# KiCad board lumpen.kicad_pcb
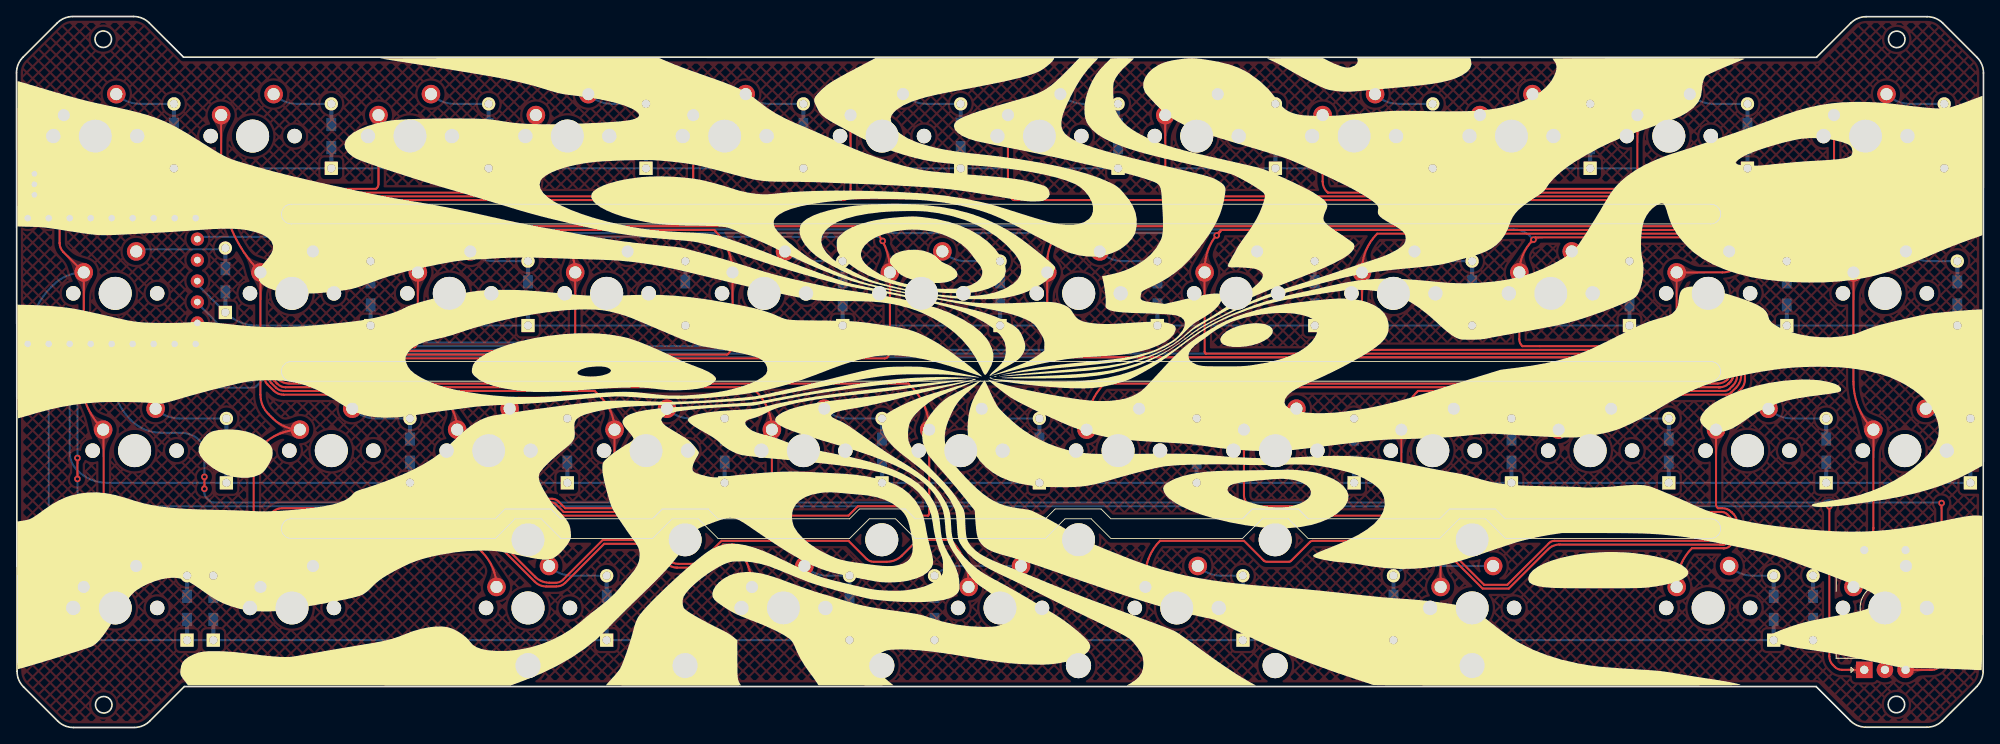
[diagram p0: board, top side]
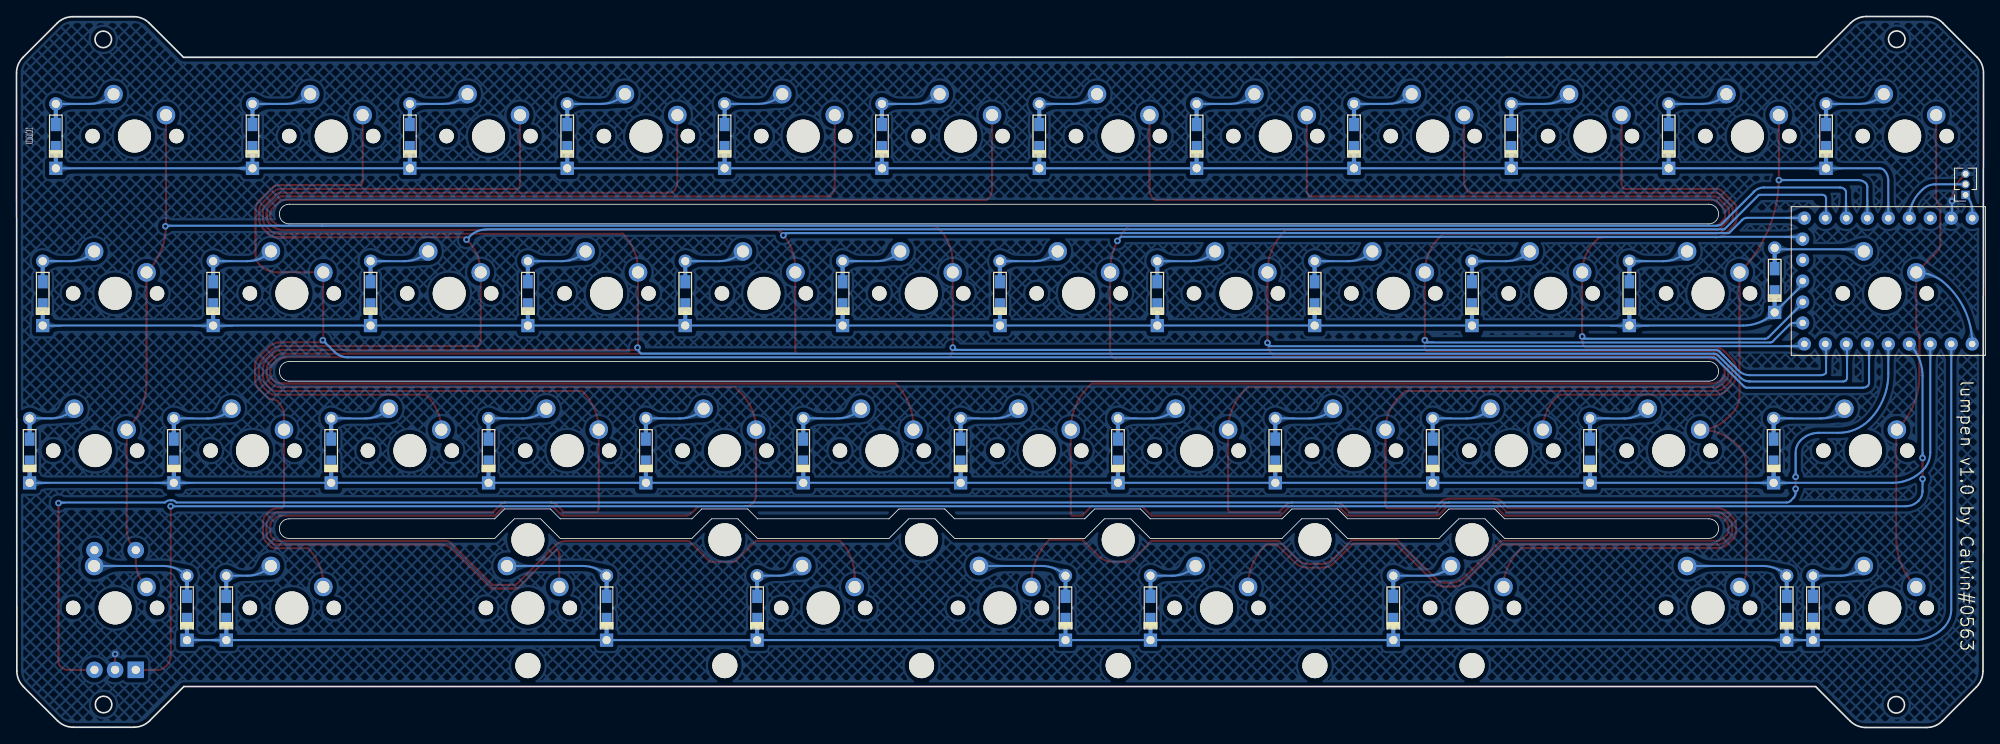
[diagram p1: board, bottom side, seen from below]

Outline 238.13 x 86.11 mm; copper layers: Top, Bottom. Coordinates in mm from the lower left corner of the outline.
Outline path: circle c10.5,83.36 r1 ; circle c10.56,2.75 r1 ; circle c227.59,2.78 r1 ; circle c227.63,83.34 r1 ; 0,79.3 arc(0.2,80.32) 0.78,81.19 4.92,85.33 arc(5.79,85.91) 6.82,86.11 14.18,86.11 arc(15.21,85.91) 16.08,85.33 20.22,81.19 217.92,81.17 222.06,85.31 arc(222.92,85.89) 223.94,86.09 231.31,86.09 arc(232.34,85.89) 233.21,85.31 237.35,81.17 arc(237.93,80.3) 238.13,79.28 238.09,6.85 arc(237.89,5.82) 237.31,4.96 233.17,0.82 arc(232.3,0.24) 231.27,0.03 223.91,0.03 arc(222.88,0.24) 222.01,0.82 217.87,4.96 20.31,4.96 16.14,0.78 arc(15.27,0.2) 14.25,0 6.88,0 arc(5.85,0.2) 4.99,0.78 0.85,4.92 arc(0.27,5.79) 0.06,6.82 0,79.3 ; 33.27,63.38 205.12,63.38 arc(206.31,62.19) 205.12,61 33.27,61 arc(32.08,62.19) 33.27,63.38 ; 33.27,44.33 205.12,44.33 arc(206.31,43.14) 205.12,41.95 33.27,41.95 arc(32.08,43.14) 33.27,44.33 ; 33.27,25.28 57.97,25.28 59.16,26.47 64.72,26.47 65.91,25.28 76.99,25.28 78.18,26.47 83.73,26.47 84.92,25.28 100.86,25.28 102.05,26.47 107.61,26.47 108.8,25.28 124.55,25.28 125.75,26.47 131.3,26.47 132.49,25.28 148.42,25.28 149.62,26.47 155.17,26.47 156.36,25.28 172.3,25.28 173.49,26.47 179.05,26.47 180.24,25.28 205.12,25.28 arc(206.31,24.09) 205.12,22.9 180.24,22.9 177.86,25.28 174.68,25.28 172.3,22.9 156.36,22.9 153.98,25.28 150.81,25.28 148.42,22.9 132.49,22.9 130.11,25.28 126.94,25.28 124.55,22.9 108.8,22.9 106.42,25.28 103.24,25.28 100.86,22.9 84.92,22.9 82.54,25.28 79.37,25.28 76.99,22.9 65.91,22.9 63.52,25.28 60.35,25.28 57.97,22.9 33.27,22.9 arc(32.08,24.09) 33.27,25.28

## Placement (name value [footprint] x y rotation side)
D1  D_Small  [Diode-Hybrid-Back]  19.06 71.63 270 top
D2  D_Small  [Diode-Hybrid-Back]  25.28 54.17 270 top
D3  D_Small  [Diode-Hybrid-Back]  25.41 33.53 270 top
D4  D_Small  [Diode-Hybrid-Back]  20.65 14.48 270 top
D5  D_Small  [Diode-Hybrid-Back]  57.16 71.63 270 top
D6  D_Small  [Diode-Hybrid-Back]  38.11 71.63 270 top
D7  D_Small  [Diode-Hybrid-Back]  42.87 52.58 270 top
D8  D_Small  [Diode-Hybrid-Back]  47.63 33.53 270 top
D9  D_Small  [Diode-Hybrid-Back]  23.82 14.48 270 top
D10  D_Small  [Diode-Hybrid-Back]  61.92 52.58 270 top
D11  D_Small  [Diode-Hybrid-Back]  66.68 33.53 270 top
D12  D_Small  [Diode-Hybrid-Back]  71.45 14.48 270 top
D13  D_Small  [Diode-Hybrid-Back]  76.21 71.63 270 top
D14  D_Small  [Diode-Hybrid-Back]  80.97 52.58 270 top
D15  D_Small  [Diode-Hybrid-Back]  85.73 33.53 270 top
D16  D_Small  [Diode-Hybrid-Back]  95.26 71.63 270 top
D17  D_Small  [Diode-Hybrid-Back]  100.02 52.58 270 top
D18  D_Small  [Diode-Hybrid-Back]  104.78 33.53 270 top
D19  D_Small  [Diode-Hybrid-Back]  133.36 71.63 270 top
D20  D_Small  [Diode-Hybrid-Back]  100.85 14.48 270 top
D21  D_Small  [Diode-Hybrid-Back]  114.31 71.63 270 top
D22  D_Small  [Diode-Hybrid-Back]  119.07 52.58 270 top
D23  D_Small  [Diode-Hybrid-Back]  123.83 33.53 270 top
D24  D_Small  [Diode-Hybrid-Back]  111.13 14.48 270 top
D25  D_Small  [Diode-Hybrid-Back]  138.12 52.58 270 top
D26  D_Small  [Diode-Hybrid-Back]  142.88 33.53 270 top
D27  D_Small  [Diode-Hybrid-Back]  148.47 14.48 270 top
D28  D_Small  [Diode-Hybrid-Back]  152.41 71.63 270 top
D29  D_Small  [Diode-Hybrid-Back]  157.17 52.58 270 top
D30  D_Small  [Diode-Hybrid-Back]  161.93 33.53 270 top
D31  D_Small  [Diode-Hybrid-Back]  171.46 71.63 270 top
D32  D_Small  [Diode-Hybrid-Back]  176.22 52.58 270 top
D33  D_Small  [Diode-Hybrid-Back]  180.98 33.53 270 top
D34  D_Small  [Diode-Hybrid-Back]  209.56 71.63 270 top
D35  D_Small  [Diode-Hybrid-Back]  166.7 14.48 270 top
D36  D_Small  [Diode-Hybrid-Back]  190.51 71.63 270 top
D37  D_Small  [Diode-Hybrid-Back]  195.27 52.58 270 top
D38  D_Small  [Diode-Hybrid-Back]  200.03 33.53 270 top
D39  D_Small  [Diode-Hybrid-Back]  214.32 52.58 270 top
D40  D_Small  [Diode-Hybrid-Back]  219.08 33.53 270 top
D41  D_Small  [Diode-Hybrid-Back]  212.73 14.48 270 top
D43  D_Small  [Diode-Hybrid-Back]  233.37 71.63 270 top
D44  D_Small  [Diode-Hybrid-Back]  234.96 52.58 270 top
D45  D_Small  [Diode-Hybrid-Back]  236.55 33.53 270 top
D46  D_Small  [Diode-Hybrid-Back]  217.5 14.48 270 top
G***  -  [LOGO]  119.05 43.08 180 top
J1  Conn_01x03  [PinSocket_1x03_P1.27mm_Vertical]  2.17 64.52 0 bottom
MX1  MX-NoLED  [MXOnly-1U-NoLED]  9.53 71.63 0 top
MX2  MX-NoLED  [MXOnly-1U-NoLED]  28.58 71.63 0 top
MX3  MX-NoLED  [MXOnly-1U-NoLED]  47.63 71.63 0 top
MX4  MX-NoLED  [MXOnly-1U-NoLED]  66.68 71.63 0 top
MX5  MX-NoLED  [MXOnly-1U-NoLED]  85.73 71.63 0 top
MX6  MX-NoLED  [MXOnly-1U-NoLED]  104.78 71.63 0 top
MX7  MX-NoLED  [MXOnly-1U-NoLED]  123.83 71.63 0 top
MX8  MX-NoLED  [MXOnly-1U-NoLED]  142.88 71.63 0 top
MX9  MX-NoLED  [MXOnly-1U-NoLED]  161.93 71.63 0 top
MX10  MX-NoLED  [MXOnly-1U-NoLED]  180.98 71.63 0 top
MX11  MX-NoLED  [MXOnly-1U-NoLED]  200.03 71.63 0 top
MX12  MX-NoLED  [MXOnly-1.5U-NoLED]  223.85 71.63 0 top
MX13  MX-NoLED  [MXOnly-1.25U-NoLED]  11.95 52.58 0 top
MX14  MX-NoLED  [MXOnly-1U-NoLED]  33.35 52.58 0 top
MX15  MX-NoLED  [MXOnly-1U-NoLED]  52.4 52.58 0 top
MX16  MX-NoLED  [MXOnly-1U-NoLED]  71.45 52.58 0 top
MX17  MX-NoLED  [MXOnly-1U-NoLED]  90.5 52.58 0 top
MX18  MX-NoLED  [MXOnly-1U-NoLED]  109.55 52.58 0 top
MX19  MX-NoLED  [MXOnly-1U-NoLED]  128.6 52.58 0 top
MX20  MX-NoLED  [MXOnly-1U-NoLED]  147.65 52.58 0 top
MX21  MX-NoLED  [MXOnly-1U-NoLED]  166.7 52.58 0 top
MX22  MX-NoLED  [MXOnly-1U-NoLED]  185.75 52.58 0 top
MX23  MX-NoLED  [MXOnly-1U-NoLED]  204.8 52.58 0 top
MX24  MX-NoLED  [MXOnly-1.25U-NoLED]  226.2 52.58 0 top
MX25  MX-NoLED  [MXOnly-1.5U-NoLED]  14.3 33.53 0 top
MX26  MX-NoLED  [MXOnly-1U-NoLED]  38.11 33.53 0 top
MX27  MX-NoLED  [MXOnly-1U-NoLED]  57.16 33.53 0 top
MX28  MX-NoLED  [MXOnly-1U-NoLED]  76.21 33.53 0 top
MX29  MX-NoLED  [MXOnly-1U-NoLED]  95.26 33.53 0 top
MX30  MX-NoLED  [MXOnly-1U-NoLED]  114.31 33.53 0 top
MX31  MX-NoLED  [MXOnly-1U-NoLED]  133.36 33.53 0 top
MX32  MX-NoLED  [MXOnly-1U-NoLED]  152.41 33.53 0 top
MX33  MX-NoLED  [MXOnly-1U-NoLED]  171.46 33.53 0 top
MX34  MX-NoLED  [MXOnly-1U-NoLED]  190.51 33.53 0 top
MX35  MX-NoLED  [MXOnly-1U-NoLED]  209.56 33.53 0 top
MX36  MX-NoLED  [MXOnly-1U-NoLED]  228.61 33.53 0 top
MX37  MX-NoLED  [MXOnly-1.25U-NoLED]  11.95 14.48 0 top
MX38  MX-NoLED  [MXOnly-1U-NoLED]  33.35 14.48 0 top
MX39  MX-NoLED  [MXOnly-1U-NoLED]  61.92 14.48 0 top
MX40  MX-NoLED  [MXOnly-2.25U-ReversedStabilizers-NoLED]  92.85 14.48 0 top
MX41  MX-NoLED  [MXOnly-7U-ReversedStabilizers-NoLED]  119.07 14.48 0 top
MX42  MX-NoLED  [MXOnly-2.75U-ReversedStabilizers-NoLED]  140.47 14.48 0 top
MX43  MX-NoLED  [MXOnly-1U-NoLED]  176.22 14.48 0 top
MX44  MX-NoLED  [MXOnly-1U-NoLED]  204.8 14.48 0 top
MX45  MX-NoLED  [MXOnly-1.25U-NoLED]  226.2 14.48 0 top
RZ1  -  [RP2040-Zero]  23.27 63.07 270 bottom
SW1  RotaryEncoder_Switch  [RotaryEncoder_EC11-no-legs]  226.2 14.48 90 top

## Footprints (pads in the part's own frame, mm; a bottom-side part is the same pattern mirrored in y, then rotated)
Diode-Hybrid-Back
  rect 1.6x1.2 smd far side: 1(1.4,0) 2(-1.4,0)
  rect 2.9x0.5 smd far side: 1(2.5,0) 2(-2.5,0)
  rect 1.6x1.6 hole 1: 1(3.9,0)
  round 1.6 hole 1: 2(-3.9,0)
MXOnly-1.5U-NoLED
  round 1.75 hole 1.75 unplated: (-5.08,0) (5.08,0)
  round 3.988 hole 3.988 unplated: (0,0)
  round 2.25 hole 1.47: 1(-3.81,2.54) 2(2.54,5.08)
MXOnly-1.25U-NoLED
  round 1.75 hole 1.75 unplated: (-5.08,0) (5.08,0)
  round 3.988 hole 3.988 unplated: (0,0)
  round 2.25 hole 1.47: 1(-3.81,2.54) 2(2.54,5.08)
MXOnly-1U-NoLED
  round 1.75 hole 1.75 unplated: (-5.08,0) (5.08,0)
  round 3.988 hole 3.988 unplated: (0,0)
  round 2.25 hole 1.47: 1(-3.81,2.54) 2(2.54,5.08)
MXOnly-2.25U-ReversedStabilizers-NoLED
  round 3.988 hole 3.988 unplated: (-11.906,8.255) (0,0) (11.906,8.255)
  round 3.048 hole 3.048 unplated: (-11.906,-6.985) (11.906,-6.985)
  round 1.75 hole 1.75 unplated: (-5.08,0) (5.08,0)
  round 2.25 hole 1.47: 1(-3.81,2.54) 2(2.54,5.08)
MXOnly-2.75U-ReversedStabilizers-NoLED
  round 3.988 hole 3.988 unplated: (-11.906,8.255) (0,0) (11.906,8.255)
  round 3.048 hole 3.048 unplated: (-11.906,-6.985) (11.906,-6.985)
  round 1.75 hole 1.75 unplated: (-5.08,0) (5.08,0)
  round 2.25 hole 1.47: 1(-3.81,2.54) 2(2.54,5.08)
MXOnly-7U-ReversedStabilizers-NoLED
  round 3.988 hole 3.988 unplated: (-57.15,8.255) (0,0) (57.15,8.255)
  round 3.048 hole 3.048 unplated: (-57.15,-6.985) (57.15,-6.985)
  round 1.75 hole 1.75 unplated: (-5.08,0) (5.08,0)
  round 2.25 hole 1.47: 1(-3.81,2.54) 2(2.54,5.08)
PinSocket_1x03_P1.27mm_Vertical
  rect 1x1 hole 0.7: 1(0,0)
  oval 1x1 hole 0.7: 2(0,-1.27) 3(0,-2.54)
RotaryEncoder_EC11-no-legs
  rect 2x2 hole 1: A(-7.5,2.5)
  round 2 hole 1: B(-7.5,-2.5) C(-7.5,0) S1(7,-2.5) S2(7,2.5)
RP2040-Zero
  round 1.6 hole 0.8: 1(16.62,21.91) 2(16.62,19.37) 3(16.62,16.83) 4(16.62,14.29) 5(16.62,11.75) 6(16.62,9.21) 7(16.62,6.67) 8(16.62,4.13) 9(16.62,1.59) 10(14.08,1.38) 11(11.54,1.38) 12(9,1.38) 13(6.46,1.38) 14(3.92,1.38) 15(1.38,1.59) 16(1.38,4.13) 17(1.38,6.67) 18(1.38,9.21) 19(1.38,11.75) 20(1.38,14.29) 21(1.38,16.83) 22(1.38,21.91) 23(1.38,19.37)

## Nets
+3V3: RZ1.21
+5V: J1.1 RZ1.22
GND: J1.3 RZ1.23 SW1.C
COL0: MX1.1 MX13.1 MX25.1 MX37.1 RZ1.1
COL1: MX2.1 MX14.1 MX26.1 MX38.1 RZ1.18
COL2: MX3.1 MX15.1 MX27.1 RZ1.11
COL3: MX4.1 MX16.1 MX28.1 MX39.1 RZ1.10
COL4: MX5.1 MX17.1 MX29.1 MX40.1 RZ1.9
COL5: MX6.1 MX18.1 MX30.1 MX41.1 RZ1.14
COL6: MX7.1 MX19.1 MX31.1 RZ1.8
COL7: MX8.1 MX20.1 MX32.1 MX42.1 RZ1.15
COL8: MX9.1 MX21.1 MX33.1 MX43.1 RZ1.7
COL9: MX10.1 MX22.1 MX34.1 RZ1.16
COL10: MX11.1 MX23.1 MX35.1 MX44.1 RZ1.6
COL11: MX12.1 MX24.1 MX36.1 MX45.1 RZ1.17 SW1.S2
RGB: J1.2 RZ1.20
Rotary_A: RZ1.4 SW1.A
Rotary_B: RZ1.5 SW1.B
ROW0: D1.1 D5.1 D6.1 D13.1 D16.1 D19.1 D21.1 D28.1 D31.1 D34.1 D36.1 D43.1 RZ1.19
ROW1: D2.1 D7.1 D10.1 D14.1 D17.1 D22.1 D25.1 D29.1 D32.1 D37.1 D39.1 D44.1 RZ1.12
ROW2: D3.1 D8.1 D11.1 D15.1 D18.1 D23.1 D26.1 D30.1 D33.1 D38.1 D40.1 D45.1 RZ1.3
ROW3: D4.1 D9.1 D12.1 D20.1 D24.1 D27.1 D35.1 D41.1 D46.1 RZ1.2
Net-(D6-Pad2): D6.2 MX2.2
Net-(D7-Pad2): D7.2 MX14.2
Net-(D8-Pad2): D8.2 MX26.2
Net-(D9-Pad2): D9.2 MX38.2
Net-(D13-Pad2): D13.2 MX4.2
Net-(D14-Pad2): D14.2 MX16.2
Net-(D15-Pad2): D15.2 MX28.2
Net-(D20-Pad2): D20.2 MX40.2
Net-(D21-Pad2): D21.2 MX6.2
Net-(D22-Pad2): D22.2 MX18.2
Net-(D23-Pad2): D23.2 MX30.2
Net-(D24-Pad2): D24.2 MX41.2
Net-(D28-Pad2): D28.2 MX8.2
Net-(D29-Pad2): D29.2 MX20.2
Net-(D30-Pad2): D30.2 MX32.2
Net-(D35-Pad2): D35.2 MX43.2
Net-(D36-Pad2): D36.2 MX10.2
Net-(D37-Pad2): D37.2 MX22.2
Net-(D38-Pad2): D38.2 MX34.2
Net-(D43-Pad2): D43.2 MX12.2
Net-(D44-Pad2): D44.2 MX24.2
Net-(D45-Pad2): D45.2 MX36.2
Net-(D46-Pad2): D46.2 MX45.2 SW1.S1
Net-(MX1-Pad2): D1.2 MX1.2
Net-(MX3-Pad2): D5.2 MX3.2
Net-(MX5-Pad2): D16.2 MX5.2
Net-(MX7-Pad2): D19.2 MX7.2
Net-(MX9-Pad2): D31.2 MX9.2
Net-(MX11-Pad2): D34.2 MX11.2
Net-(MX13-Pad2): D2.2 MX13.2
Net-(MX15-Pad2): D10.2 MX15.2
Net-(MX17-Pad2): D17.2 MX17.2
Net-(MX19-Pad2): D25.2 MX19.2
Net-(MX21-Pad2): D32.2 MX21.2
Net-(MX23-Pad2): D39.2 MX23.2
Net-(MX25-Pad2): D3.2 MX25.2
Net-(MX27-Pad2): D11.2 MX27.2
Net-(MX29-Pad2): D18.2 MX29.2
Net-(MX31-Pad2): D26.2 MX31.2
Net-(MX33-Pad2): D33.2 MX33.2
Net-(MX35-Pad2): D40.2 MX35.2
Net-(MX37-Pad2): D4.2 MX37.2
Net-(MX39-Pad2): D12.2 MX39.2
Net-(MX42-Pad2): D27.2 MX42.2
Net-(MX44-Pad2): D41.2 MX44.2

Pads without a net: RZ1 13

## Via types
v1: diameter 0.8, hole 0.4, Top to Bottom, 19 vias

## Routing (per net, layer and track width the routed paths; a pad name or vN(x,y) marks a point on that pad's centre or on a via; arc(x,y) is an arc through that point)
+5V: length 3
  Bottom w0.25: RZ1.22 1.36,62.57 arc(1.57,63.63) J1.1
GND: length 7.8
  Top w0.25: J1.3 2.65,66.58 arc(3.52,65.28) v1(3.82,63.76) ; SW1.C v1(226.2,8.89)
  Bottom w0.25: v1(3.82,63.76) 3.82,61.89 arc(3.84,61.79) RZ1.23
COL0: length 72
  Top w0.25: MX1.1 5.72,64.17 arc(5.63,63.67) 5.34,63.25 arc(5.25,63.11) 5.22,62.94 5.22,58.68 arc(5.33,58.09) 5.67,57.59 MX13.1 8.14,48.5 arc(8.07,48.16) 7.88,47.88 arc(7.79,47.74) 7.76,47.58 7.76,42.66 arc(8.47,39.1) MX25.1 arc(10.53,36) 10.55,35.92 10.55,22.85 arc(9.92,19.69) MX37.1
  Bottom w0.25: MX13.1 arc(6.14,54.72) 4.45,53.59 4.23,53.37 arc(2.11,50.2) RZ1.1
COL1: length 79.8
  Top w0.25: MX2.1 24.77,66.62 arc(26.01,60.4) MX14.1 29.53,55.12 29.53,40.29 arc(29.78,39.04) 30.49,37.98 31.05,37.42 arc(32.54,36.42) MX26.1 arc(31.84,35.58) 29.75,34.19 29.6,34.04 arc(28.94,33.05) 28.71,31.89 28.71,19.01 arc(28.93,17.94) MX38.1
  Bottom w0.25: RZ1.18 14.06,65.5 arc(14.11,65.73) 14.23,65.92 arc(14.66,66.2) 15.15,66.3 v1(24.77,66.3)
COL2: length 133.6
  Top w0.25: 48.59,47.72 48.59,46.87 arc(48.5,46.46) 48.27,46.1 48.22,46.06 46.36,46.06 46.36,46.06 32.6,46.06 arc(31.92,45.92) 31.35,45.54 30.83,45.02 30.83,45.01 30.49,44.67 arc(30.11,44.11) 29.98,43.44 29.98,42.52 arc(30.09,41.99) 30.38,41.55 31.13,40.8 arc(31.68,40.44) 32.31,40.31 51.19,40.31 arc(51.34,40.28) 51.46,40.2 51.77,39.89 arc(52.94,38.14) MX27.1 ; 48.59,47.72 MX15.1 arc(48.19,57.13) 47.05,58.84 46.73,59.16 arc(46.5,59.31) 46.24,59.36 32.35,59.36 arc(31.75,59.48) 31.24,59.82 30.23,60.83 arc(29.99,61.18) 29.91,61.6 29.91,62.94 arc(29.96,63.2) 30.11,63.42 31.64,64.95 arc(31.95,65.16) 32.31,65.23 43.52,65.23 43.62,65.33 arc(43.77,65.56) 43.82,65.82 MX3.1 ; 48.59,47.72 v1(48.59,47.36)
  Bottom w0.25: v1(48.59,47.36) 48.59,47.31 48.36,47.08 26.44,47.08 arc(26.22,47.13) 26.04,47.25 21.99,51.31 arc(21.92,51.41) RZ1.11
COL3: length 313.3
  Top w0.25: 67.64,47.29 67.64,45.88 arc(67.62,45.79) 67.57,45.72 67.46,45.61 32.65,45.61 arc(32.11,45.5) 31.65,45.2 30.86,44.4 arc(30.54,43.93) 30.43,43.37 30.43,42.74 arc(30.54,42.18) 30.86,41.71 31.4,41.17 arc(31.85,40.87) 32.39,40.76 69.99,40.76 70.79,39.95 arc(71.98,38.17) MX28.1 72.4,26.98 arc(72.37,26.81) 72.27,26.67 72.16,26.56 66.43,26.56 65.61,27.38 arc(65.25,27.62) 64.83,27.7 59.18,27.7 arc(58.73,27.61) 58.35,27.35 57.55,26.56 32.14,26.56 arc(31.5,26.43) 30.96,26.07 30.3,25.41 arc(30.06,25.05) 29.98,24.64 29.98,23.58 arc(30.06,23.21) 30.27,22.89 30.94,22.22 arc(31.49,21.85) 32.14,21.72 55.89,21.72 56.36,21.25 arc(57.66,19.31) MX39.1 ; 67.64,47.29 v1(67.64,46.91) ; 67.64,47.29 MX16.1 arc(67.18,57.4) 65.89,59.33 65.41,59.81 32.43,59.81 arc(31.92,59.91) 31.5,60.19 30.64,61.05 arc(30.44,61.36) 30.36,61.73 30.36,62.8 arc(30.41,63.02) 30.53,63.21 31.55,64.22 ; 31.67,64.35 31.55,64.22 ; 31.55,64.22 31.8,64.48 arc(32.14,64.71) 32.53,64.78 62.25,64.78 62.37,64.9 arc(62.74,65.46) 62.87,66.13 62.87,74.17
  Bottom w0.25: RZ1.10 22.97,48.99 arc(23.26,48.94) 23.5,48.77 25.54,46.74 arc(25.65,46.66) 25.79,46.63 67.36,46.63 v1(67.64,46.91)
COL4: length 462.9
  Top w0.25: 89.04,17.11 MX40.1 89.04,17.07 arc(88.51,19.72) 87,21.97 86.82,22.16 85.54,22.16 83.38,19.99 arc(82.68,19.53) 81.86,19.37 79.96,19.37 arc(79.26,19.51) 78.66,19.91 76.31,22.25 71.16,22.25 66.42,17.52 arc(65.93,17.19) 65.36,17.08 64.14,17.08 arc(63.39,17.23) 62.75,17.66 58.23,22.17 32.2,22.17 arc(31.67,22.28) 31.22,22.58 30.65,23.15 arc(30.49,23.39) 30.43,23.67 30.43,24.57 arc(30.49,24.88) 30.66,25.14 31.16,25.63 arc(31.69,25.98) 32.32,26.11 57.74,26.11 58.61,26.98 arc(58.91,27.18) 59.26,27.25 64.72,27.25 arc(65.06,27.18) 65.36,26.99 66.24,26.11 76.79,26.11 77.57,26.89 arc(77.97,27.16) 78.44,27.25 83.76,27.25 arc(84.11,27.18) 84.41,26.98 85.29,26.11 91.26,26.11 91.32,26.17 arc(91.42,26.31) 91.45,26.47 MX29.1 arc(90.95,38.59) 89.52,40.72 89.04,41.21 32.57,41.21 arc(32.04,41.31) 31.59,41.62 31.23,41.98 arc(30.97,42.36) 30.88,42.81 30.88,43.33 arc(30.97,43.75) 31.21,44.12 31.78,44.69 arc(32.3,45.04) 32.91,45.16 85.98,45.16 arc(86.05,45.17) 86.12,45.22 arc(86.54,45.85) v1(86.69,46.59) MX17.1 arc(86.15,57.81) 84.63,60.1 84.46,60.26 32.46,60.26 arc(32.1,60.33) 31.79,60.54 30.99,61.34 arc(30.86,61.54) 30.81,61.77 30.81,62.55 arc(30.87,62.83) 31.03,63.07 32.05,64.1 arc(32.32,64.27) 32.63,64.33 81.61,64.33 81.67,64.39 arc(81.86,64.67) 81.92,65.01 MX5.1
  Bottom w0.25: v1(86.69,46.59) 86.69,46.4 86.47,46.18 22.33,46.18 arc(21.98,46.25) RZ1.9
COL5: length 603.3
  Top w0.25: MX41.1 115.26,17.48 arc(114.7,20.32) 113.08,22.74 109.1,22.74 107.2,20.83 arc(106.35,20.27) 105.36,20.07 103.77,20.07 arc(103.3,20.16) 102.9,20.43 100.72,22.61 85.35,22.61 83.1,20.35 arc(82.5,19.96) 81.8,19.82 80.15,19.82 arc(79.44,19.96) 78.85,20.35 76.5,22.7 70.97,22.7 66.15,17.89 arc(65.76,17.62) 65.29,17.53 64.53,17.53 arc(63.59,17.72) 62.79,18.25 58.42,22.62 32.26,22.62 arc(31.85,22.7) 31.5,22.93 31.09,23.34 arc(30.94,23.57) 30.88,23.85 30.88,24.33 arc(30.95,24.69) 31.16,24.99 31.33,25.16 arc(31.88,25.53) 32.52,25.66 57.92,25.66 58.88,26.62 arc(59.08,26.75) 59.32,26.8 64.53,26.8 arc(64.88,26.73) 65.18,26.53 65.96,25.75 arc(66.06,25.68) 66.18,25.66 76.97,25.66 77.86,26.55 arc(78.14,26.73) 78.47,26.8 83.7,26.8 arc(83.94,26.75) 84.14,26.62 85.1,25.66 100.72,25.66 101.86,26.8 107.96,26.8 109.1,25.66 110.37,25.66 arc(110.47,25.8) 110.5,25.96 MX30.1 arc(109.94,38.89) 108.34,41.27 107.96,41.66 33.02,41.66 arc(32.25,41.81) 31.59,42.25 arc(31.4,42.54) 31.33,42.88 31.33,43.26 arc(31.39,43.58) 31.57,43.84 31.97,44.24 arc(32.49,44.59) 33.09,44.71 105.11,44.71 arc(105.28,44.74) 105.42,44.83 arc(105.65,45.19) 105.74,45.6 MX18.1 105.74,55.34 arc(105.16,58.25) 103.51,60.71 32.52,60.71 arc(32.28,60.76) 32.07,60.9 31.38,61.59 arc(31.29,61.71) 31.26,61.86 31.26,62.45 arc(31.3,62.65) 31.42,62.83 32.27,63.67 arc(32.5,63.83) 32.78,63.88 100.16,63.88 arc(100.33,63.92) 100.47,64.01 arc(100.84,64.57) 100.97,65.24 MX6.1
  Bottom w0.25: 21.91,59.16 arc(21.9,59.16) RZ1.14 arc(22.2,59.36) 22.55,59.43 104.41,59.43 104.82,59.02 arc(104.85,58.98) v1(104.86,58.93)
COL6: length 475.2
  Top w0.25: MX7.1 120.02,65.24 arc(120.16,64.57) 120.53,64.01 120.57,63.97 arc(120.67,63.91) 120.79,63.88 205.88,63.88 arc(206.1,63.84) 206.28,63.72 207.21,62.79 arc(207.34,62.59) 207.39,62.35 207.39,61.87 arc(207.34,61.62) 207.2,61.42 207.01,61.22 arc(206.44,60.84) 205.77,60.71 127.11,60.71 arc(126.78,60.64) 126.5,60.46 arc(125.23,58.56) 124.79,56.32 MX19.1 ; 129.55,37.22 MX31.1 129.55,36.45 arc(130.11,39.27) 131.71,41.66 205.94,41.66 arc(206.59,41.79) 207.13,42.15 arc(207.33,42.45) 207.4,42.8 207.4,43.33 arc(207.33,43.66) 207.15,43.95 206.77,44.33 arc(206.2,44.7) 205.54,44.83 125.23,44.83 arc(124.9,45.33) 124.79,45.91 124.79,46.17 ; 124.79,46.17 MX19.1 ; 124.79,46.17 v1(124.79,46.01) ; MX19.1 124.79,56.42
  Bottom w0.25: v1(124.79,46.01) 124.51,45.73 32.4,45.73 arc(32.16,45.69) 31.95,45.55 31.5,45.1 31.5,45.09 29.63,43.21 arc(29.03,42.81) 28.33,42.68 19.67,42.68 arc(19.34,42.74) 19.06,42.93 19.06,46.25 arc(19.08,46.36) RZ1.8
COL7: length 569.8
  Top w0.25: MX20.1 143.84,55.51 arc(144.35,58.08) 145.81,60.26 ; MX20.1 143.84,45.5 arc(143.85,45.41) 143.9,45.34 143.96,45.28 205.9,45.28 arc(206.4,45.18) 206.83,44.9 207.5,44.23 arc(207.76,43.84) 207.85,43.38 207.85,42.78 ; MX20.1 143.84,55.67 ; 205.82,64.33 139.64,64.33 139.58,64.39 arc(139.21,64.95) 139.07,65.62 MX8.1 ; 205.82,64.33 206,64.33 ; 205.82,64.33 206,64.33 ; 207.84,62.3 207.84,62.44 arc(207.77,62.77) 207.58,63.05 206.51,64.12 ; 207.84,62.3 207.84,61.73 ; 207.84,62.3 207.84,61.73 ; 207.46,41.85 207.25,41.64 ; 207.46,41.85 207.25,41.64 ; 207.46,41.85 207.25,41.64 ; 207.46,41.85 arc(207.75,42.28) 207.85,42.78 ; 207.46,41.85 arc(207.75,42.28) 207.85,42.78 ; 207.25,41.64 arc(206.78,41.32) 206.22,41.21 206.06,41.21 ; v1(145.3,59.6) 145.7,60.01 arc(145.78,60.12) 145.81,60.26 ; 206,64.33 arc(206.28,64.28) 206.51,64.12 ; 206,64.33 arc(206.28,64.28) 206.51,64.12 ; MX42.1 136.66,18.32 arc(137.12,20.64) 138.44,22.61 148.6,22.61 150.98,20.23 arc(151.16,20.11) 151.37,20.07 154.06,20.07 arc(154.18,20.09) 154.28,20.16 156.6,22.48 arc(156.74,22.58) 156.91,22.61 171.46,22.61 arc(172.28,22.45) 172.98,21.98 177.68,17.28 180.48,17.28 185.54,22.34 arc(185.84,22.54) 186.19,22.61 206.59,22.61 arc(206.75,22.64) 206.89,22.74 207.13,22.97 arc(207.33,23.27) 207.4,23.63 207.4,24.66 arc(207.38,24.76) 207.33,24.84 206.71,25.46 arc(206.49,25.6) 206.23,25.66 180.22,25.66 179.26,26.62 arc(179.06,26.75) 178.83,26.8 173.6,26.8 arc(173.26,26.73) 172.98,26.55 172.18,25.75 arc(172.08,25.68) 171.97,25.66 157.09,25.66 arc(156.75,25.72) 156.47,25.91 155.85,26.53 arc(155.56,26.73) 155.2,26.8 149.9,26.8 arc(149.4,26.9) 148.98,27.18 arc(148.7,27.6) 148.6,28.1 MX32.1 arc(149.08,38.47) 150.44,40.51 151.14,41.21 206.06,41.21 ; 145.81,60.26 205.88,60.26 arc(206.63,60.41) 207.27,60.84 207.61,61.17 ; 207.61,61.17 207.4,60.96 ; 207.61,61.17 arc(207.78,61.43) 207.84,61.73 ; 207.61,61.17 arc(207.78,61.43) 207.84,61.73 ; 207.61,61.17 arc(207.78,61.43) 207.84,61.73 ; 206.32,41.21 206.06,41.21
  Bottom w0.25: v1(145.3,59.6) 145.02,59.88 30.91,59.88 arc(30.82,59.9) 30.74,59.95 29.18,61.51 arc(28.94,61.67) 28.66,61.73 21.76,61.73 arc(21.72,61.72) RZ1.15
COL8: length 464.8
  Top w0.25: 207.47,44.9 207.85,44.52 arc(208.18,44.02) 208.3,43.43 208.3,42.61 arc(208.18,41.98) 207.82,41.44 207.4,41.02 arc(207.11,40.83) 206.76,40.76 169.67,40.76 169.54,40.62 arc(168.14,38.54) MX33.1 167.65,26.47 arc(167.68,26.31) 167.78,26.17 167.83,26.11 171.91,26.11 172.79,26.99 arc(173.08,27.18) 173.42,27.25 178.99,27.25 arc(179.24,27.2) 179.46,27.05 ; 207.47,44.9 207.47,44.91 207.09,45.28 arc(206.59,45.62) 206,45.73 163.19,45.73 163.08,45.85 arc(162.94,46.06) 162.89,46.31 ; 207.47,44.9 207.01,45.35 ; 206.71,22.16 206.2,22.16 ; 206.2,22.16 186.8,22.16 arc(186.06,22.01) 185.43,21.59 180.66,16.83 177.5,16.83 172.73,21.59 arc(172.49,21.24) 172.41,20.83 172.41,20.13 ; 206.2,22.16 206.68,22.16 arc(206.93,22.21) 207.15,22.35 207.58,22.79 arc(207.78,23.09) 207.85,23.44 207.85,24.71 arc(207.79,25.05) 207.59,25.34 207.13,25.8 arc(206.79,26.03) 206.38,26.11 180.41,26.11 179.46,27.05 ; 162.89,46.31 162.89,46.16 arc(162.9,46.08) v1(162.95,46.01) ; 162.89,46.31 MX21.1 162.89,55.36 arc(163.37,57.77) 164.73,59.81 206.4,59.81 arc(206.96,59.92) 207.44,60.24 207.93,60.73 arc(208.2,61.13) 208.29,61.6 208.29,62.61 arc(208.22,62.95) 208.03,63.24 206.75,64.52 arc(206.46,64.72) 206.12,64.78 158.75,64.78 158.63,64.9 arc(158.26,65.46) 158.12,66.13 MX9.1 ; 172.41,20.13 172.41,21.07 ; 172.41,20.13 MX43.1
  Bottom w0.25: v1(162.95,46.01) arc(162.9,45.74) 162.75,45.52 162.51,45.28 32.64,45.28 arc(32.36,45.23) 32.12,45.07 29.41,42.36 arc(28.92,42.03) 28.33,41.91 16.95,41.91 arc(16.79,41.95) 16.65,42.04 arc(16.55,42.18) 16.52,42.35 16.52,46.25 arc(16.54,46.36) RZ1.7